# Altium PCB BEE_BOARD.PcbDoc (part 3 of 3) (continued)
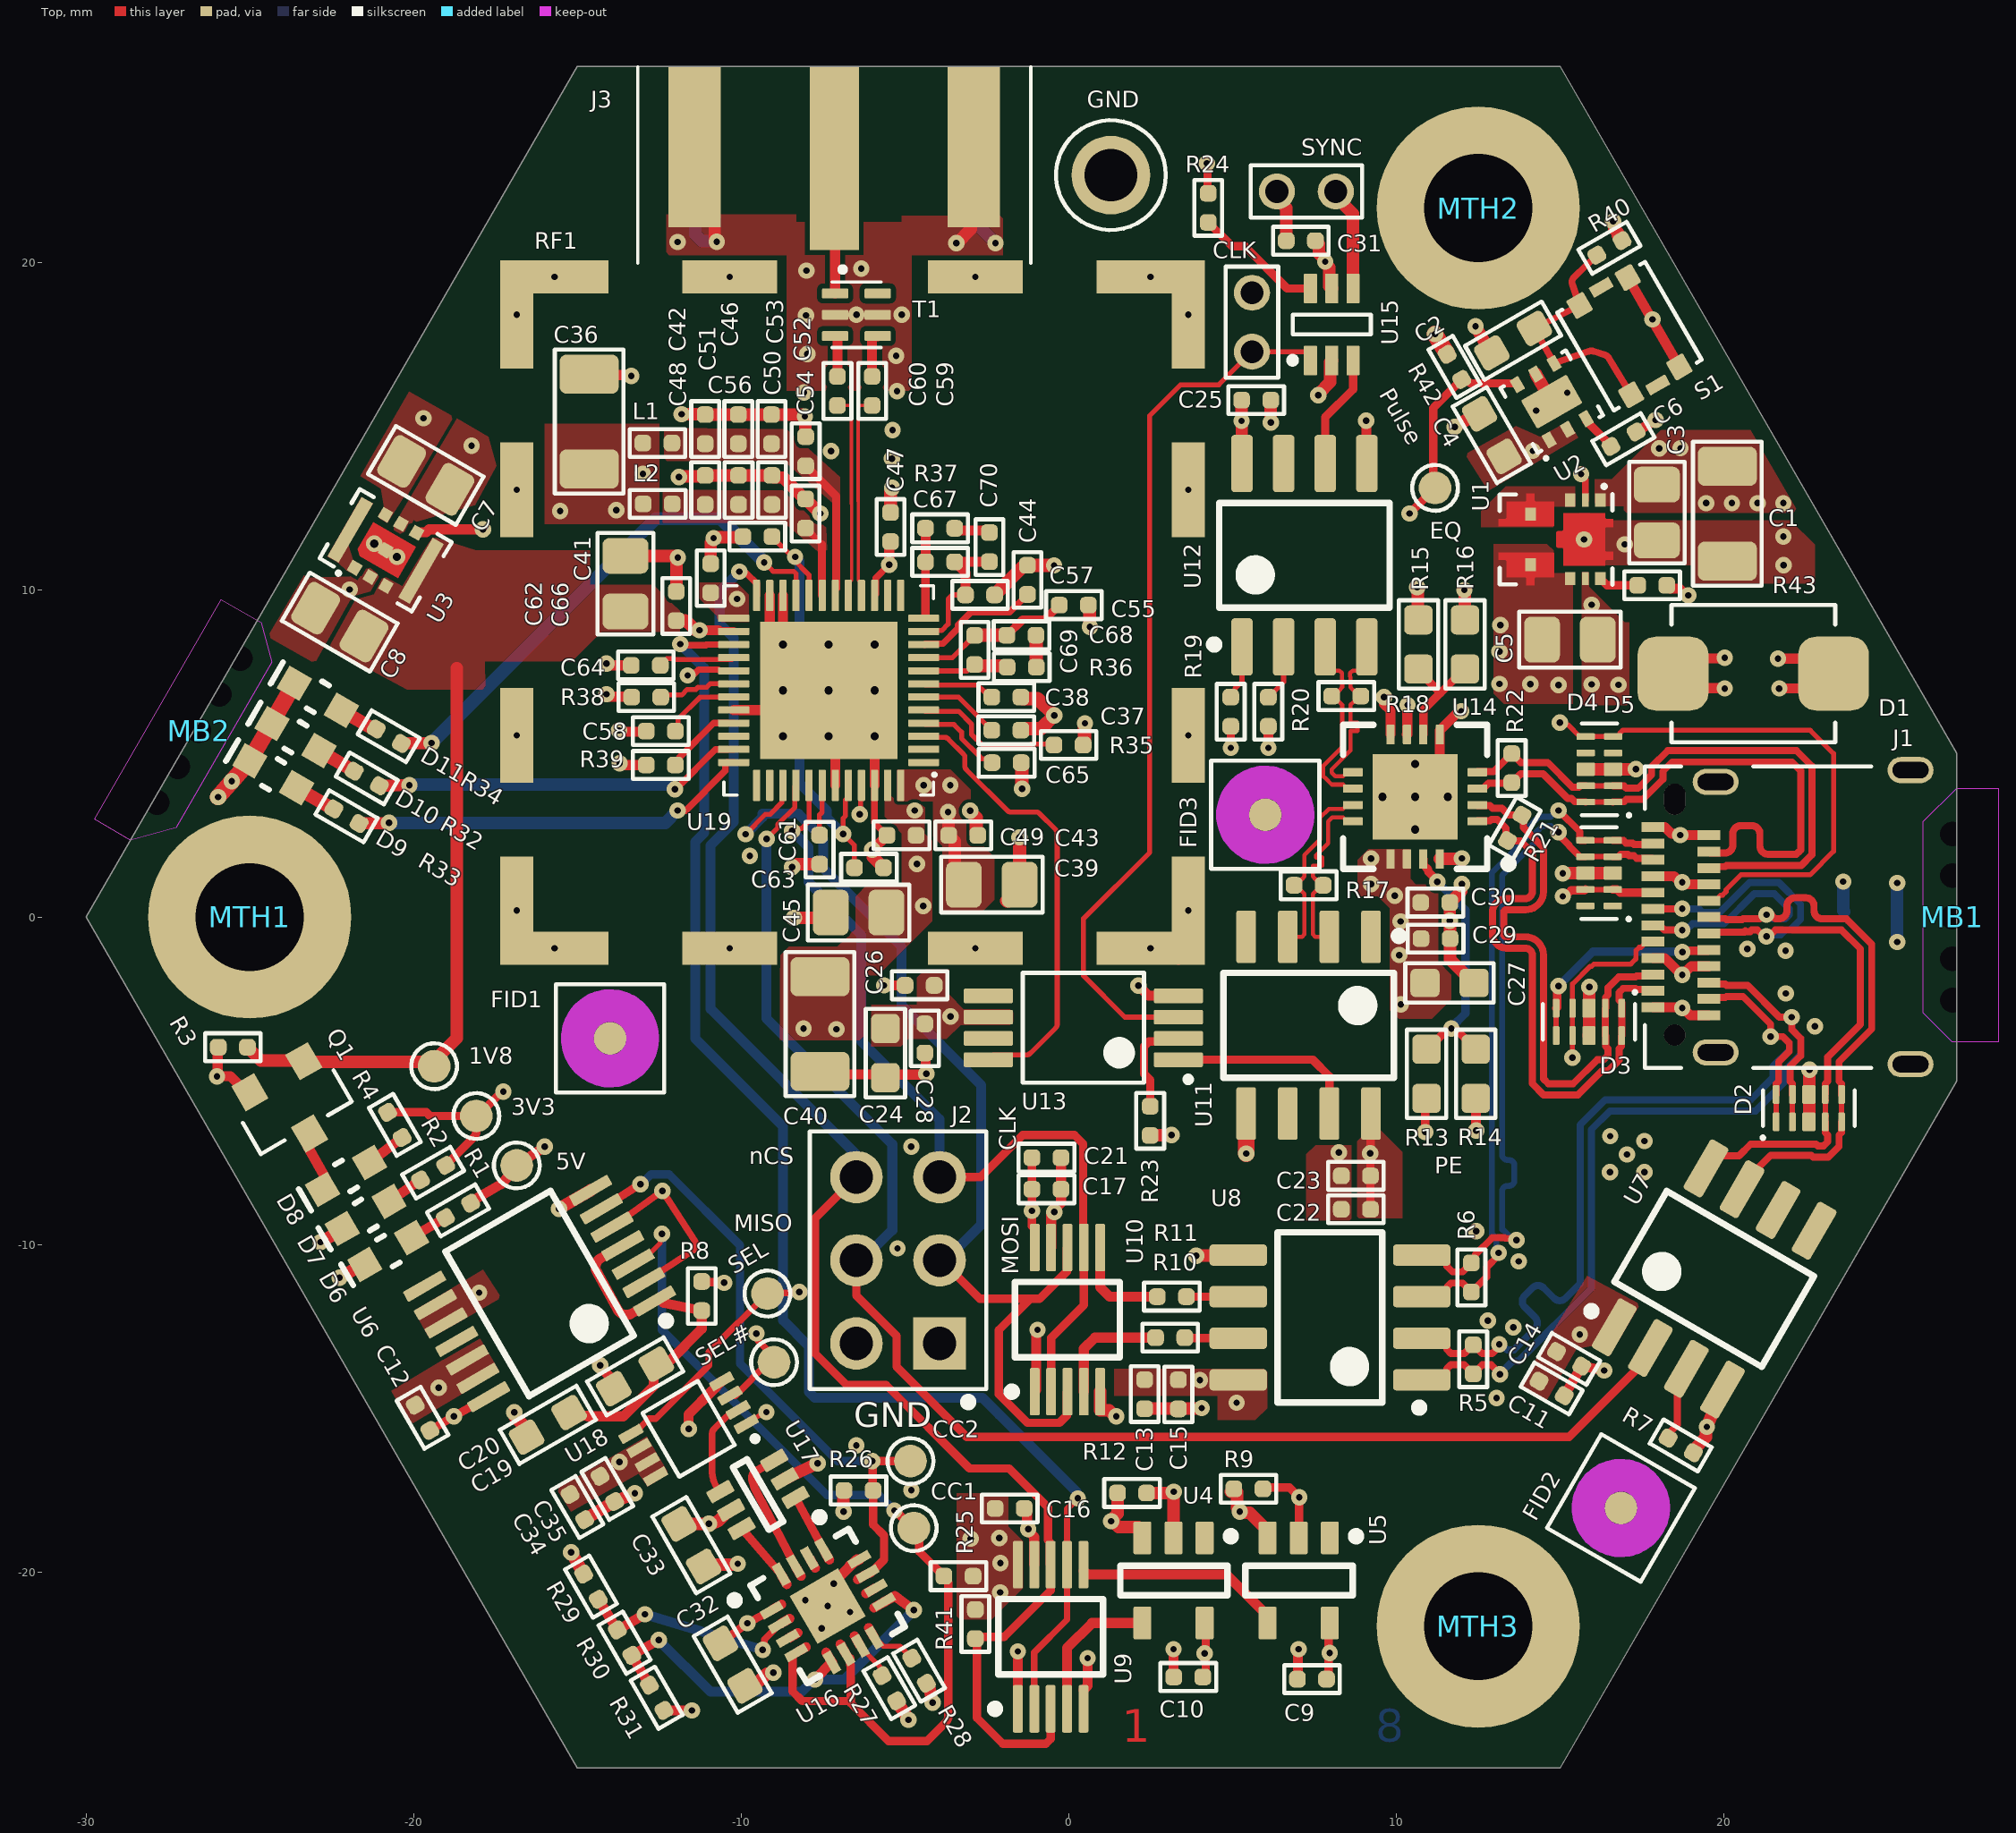
[diagram p0: Top view]
## Nets (pads, with @x,y where several pads share a name; then routed paths per layer and width w, separated by ;. In a path a pad name is that pad's centre, name@x,y a point inside that pad or via, vN(x,y) a via of type N, cw(c..) or ccw(c..) an arc to the next point about the centre after c; other vN are vias at no path point) (continued)
OUT1: U16.16 U17.6 | length 1.8
  Top w0.254: U17.6@-9.984,-18.668 U16.16@-8.78,-20.069
OUT2: U16.15 U17.3 | length 3.9
  Top w0.254: U17.3@-8.989,-16.592 -9.537,-16.911 ccw(c-9.409,-17.131) -9.651,-17.208 -9.565,-17.479 U16.15@-8.347,-19.819
OUT4: U16.13 U17.1 | length 1.8
  Top w0.254: U17.1@-8.339,-17.718 U16.13@-7.481,-19.319
PE: R13.1 R14.2 U14.15 | length 7.9
  Top w0.254: U14.15@10.825,1.775 10.825,1.6 10.971,1.454 10.971,1.395 11.251,1.116 v1(11.251,1.075) ; R13.1@10.925,-4.036 10.953,-4.036 11.575,-3.414 11.816,-3.414 12.425,-4.023 R14.2@12.425,-4.036
  Bottom w0.254: v1(11.251,1.075) 12.11,0.215 12.11,-2.941 11.683,-3.368 v1(11.683,-3.406)
PULSE: Pulse.1 R8.2 R42.1 U2.6 U18.1 | length 49.3
  Top w0.152: R8.2@-11.203,-11.125 R8.2@-11.184,-11.144 ; v1@-10.538,-11.144 v1(-10.519,-11.164) ; U18.1@-9.841,-15.476 -9.741,-15.376 v1(-9.23,-15.115)
  Top w0.254: R8.2@-11.184,-11.144 v1@-10.538,-11.144 ; v1(10.404,12.326) Pulse.1@11.184,13.106 11.128,13.163 11.128,15.546 R42.1@11.997,16.416 12.14,16.416 12.259,16.297 13.657,16.297 U2.6@13.695,16.26
  Signal_1 w0.254: v1(-9.23,-15.115) -10.519,-13.826 v1(-10.519,-11.164) -10.519,-8.647 -5.472,-3.6 2.451,-3.6 4.948,-1.103 4.948,2.749 6.689,4.49 6.689,8.611 v1(10.404,12.326)
RF_N: C60.2 U19.17 | length 6.2
  Top w0.102: C60.2@-7.059,15.624 -6.691,15.624 -6.632,15.564 -6.632,12.624 -6.627,12.62 -6.627,10.287 -6.726,10.189 U19.17@-6.726,9.824
RF_P: C59.2 U19.16 | length 6.2
  Top w0.102: U19.16@-6.326,9.824 -6.326,10.189 -6.424,10.287 -6.424,12.704 -6.428,12.708 -6.428,15.564 -6.369,15.624 C59.2@-6.001,15.624
RX1_N: D2.2 D2.9 J1.B10 R5.2 U8.1 | length 27
  Top w0.165: D2.2@22.095,-6.251 D2.9@22.095,-5.416
  Top w0.216: U8.1@10.775,-14.129 11.325,-14.129 11.542,-13.912 11.542,-13.792 11.668,-13.665 12.071,-13.665 R5.2@12.35,-13.945 12.623,-13.671 12.899,-13.671 13.167,-13.94 v1(13.167,-13.959) ; J1.B10@19.54,-2 19.582,-2.042 20.04,-2.042 20.077,-2.079 20.721,-2.079 21.694,-3.051 22.071,-3.051 v1(22.072,-3.053) 22.074,-3.054 22.074,-3.431 22.344,-3.701 22.344,-4.236 22.016,-4.563 22.016,-5.014 22.087,-5.085 22.087,-5.408 D2.9@22.095,-5.416
  Bottom w0.216: v1(13.167,-13.959) 13.167,-13.944 13.554,-13.557 13.732,-13.557 15.954,-11.336 15.954,-6.489 16.524,-5.919 20.965,-5.919 21.845,-5.04 21.845,-4.7 22.344,-4.201 22.344,-3.701 22.074,-3.431 22.074,-3.054 v1(22.072,-3.053)
RX1_P: D2.1 D2.10 J1.B11 R5.1 U8.2 | length 27
  Top w0.165: D2.1@21.595,-6.251 D2.10@21.595,-5.416
  Top w0.216: U8.2@10.775,-12.859 11.325,-12.859 11.542,-13.076 11.542,-13.196 11.668,-13.322 12.077,-13.322 12.344,-13.056 R5.1@12.35,-13.056 12.623,-13.329 12.928,-13.329 13.143,-13.114 v1(13.143,-13.048) ; J1.B11@19.54,-2.5 19.582,-2.458 20.04,-2.458 20.077,-2.421 20.579,-2.421 21.426,-3.268 21.426,-3.645 v1(21.427,-3.647) 21.429,-3.648 21.806,-3.648 22.001,-3.843 22.001,-4.094 21.673,-4.421 21.673,-5.014 21.603,-5.085 21.603,-5.408 D2.10@21.595,-5.416
  Bottom w0.216: v1(13.143,-13.048) 13.219,-13.048 13.386,-13.215 13.59,-13.215 14.157,-12.648 14.233,-12.571 ccw(c14.058,-12.396) 14.233,-12.221 13.919,-11.907 cw(c14.094,-11.732) 13.919,-11.557 14.152,-11.323 cw(c14.327,-11.498) 14.503,-11.323 14.817,-11.638 ccw(c14.992,-11.462) 15.167,-11.638 15.611,-11.194 15.611,-6.347 16.381,-5.576 20.823,-5.576 21.502,-4.898 21.502,-4.558 22.001,-4.059 22.001,-3.843 21.806,-3.648 21.429,-3.648 v1(21.427,-3.647)
RX2_N: D4.4 D4.7 J1.A10 R6.1 U8.4 | length 21.5
  Top w0.165: D4.7@15.774,1.844 D4.4@16.609,1.844
  Top w0.216: U8.4@10.775,-10.319 11.325,-10.319 11.542,-10.536 11.542,-10.657 11.717,-10.832 12.022,-10.832 R6.1@12.295,-10.559 12.413,-10.44 12.413,-10.308 12.93,-9.791 13.311,-9.791 13.328,-9.808 13.616,-9.808 v1(13.671,-9.862) ; v1(14.954,2.595) 14.954,2.519 15.282,2.191 15.282,2.169 15.607,1.844 D4.7@15.774,1.844 ; D4.4@16.609,1.844 16.775,1.844 16.852,1.92 17.07,1.92 17.109,1.881 17.251,1.881 17.34,1.792 17.798,1.792 J1.A10@17.84,1.75
  Bottom w0.178: v1(13.671,-9.862) 13.583,-9.862 13.275,-9.553 13.227,-9.553 13.227,-9.258 13.227,-8.382 cw(c13.405,-8.382) 13.405,-8.204 13.446,-8.204 ccw(c13.446,-8.047) 13.603,-8.047 13.603,-7.574 ccw(c13.446,-7.574) 13.446,-7.417 13.405,-7.417 cw(c13.405,-7.239) 13.227,-7.239 13.227,-5.919 13.227,1.275 14.265,2.313 14.265,2.589 14.463,2.786 14.714,2.786 14.905,2.595 v1(14.954,2.595)
RX2_P: D4.5 D4.6 J1.A11 R6.2 U8.3 | length 21.5
  Top w0.165: D4.6@15.774,2.344 D4.5@16.609,2.344
  Top w0.216: U8.3@10.775,-11.589 11.325,-11.589 11.542,-11.372 11.542,-11.301 11.668,-11.174 12.022,-11.174 R6.2@12.295,-11.448 ; R6.2@12.295,-11.448 12.758,-10.984 12.758,-10.69 13.12,-10.327 v1(13.12,-10.251) ; v1(14.954,3.256) 15.606,2.604 15.606,2.352 15.614,2.344 D4.6@15.774,2.344 ; D4.5@16.609,2.344 16.617,2.336 16.94,2.336 17.013,2.263 17.212,2.263 17.251,2.224 17.814,2.224 J1.A11@17.84,2.25
  Bottom w0.178: v1(13.12,-10.251) 13.059,-10.189 13.059,-9.816 12.922,-9.68 12.922,1.365 13.986,2.429 13.986,2.704 14.347,3.065 14.714,3.065 14.905,3.256 v1(14.954,3.256)
SBU1: D4.2 D4.9 J1.A8 R12.1 U4.2 | length 28.1
  Top w0.165: D4.9@15.774,0.844 D4.2@16.609,0.844
  Top w0.254: v1(15.084,0.633) 15.15,0.633 15.334,0.817 15.747,0.817 D4.9@15.774,0.844 ; D4.2@16.609,0.844 16.737,0.844 16.831,0.75 J1.A8@17.84,0.75
  Top w0.381: R12.1@2.379,-17.584 v1@3.016,-17.584 ; U4.2@3.199,-18.954 3.202,-18.951 3.202,-17.548 v1(3.206,-17.545)
  Signal_1 w0.254: v1(3.206,-17.545) 3.202,-17.541 3.202,-14.268 4.368,-13.102 4.368,-10.044 15.045,0.633 v1(15.084,0.633)
SBU2: D3.5 D3.6 J1.B8 R9.1 U5.2 | length 29.2
  Top w0.165: D3.6@14.881,-3.615 D3.5@14.881,-2.78
  Top w0.254: R9.1@5.931,-17.457 5.972,-17.417 6.738,-17.417 v1(7.04,-17.719) 7.03,-17.728 7.03,-18.945 U5.2@7.021,-18.954 ; D3.5@14.881,-2.78 14.908,-2.753 14.908,-2.149 v1(14.954,-2.103) ; v1(18.732,-1.07) 18.779,-1.023 19.271,-1.023 19.517,-1.023 J1.B8@19.54,-1
  Signal_1 w0.254: v1(7.04,-17.719) 8.727,-16.032 8.727,-6.226 9.653,-5.3 10.466,-5.3 13.663,-2.103 v1(14.954,-2.103)
  Bottom w0.254: v1(14.954,-2.103) 16.008,-1.05 18.711,-1.05 v1(18.732,-1.07)
SEL: SEL.1 U9.1 U10.1 U14.7 U18.5 | length 53.7
  Top w0.203: U18.5@-13.363,-15.777 -13.28,-15.777 -12.821,-15.318 -12.614,-15.318 -10.981,-13.685 -10.981,-13.279 -9.147,-11.445 -9.142,-11.445 -9.118,-11.47 -8.247,-11.47 v1(-8.223,-11.445)
  Top w0.305: v1(-1.554,-22.419) -1.552,-22.421 -1.552,-24.173 U9.1@-1.55,-24.175 ; U10.1@-1.038,-14.491 -0.993,-14.445 -0.993,-12.642 v1(-0.95,-12.6) ; U14.7@10.325,5.575 10.335,5.585 10.335,6.471 v1(10.346,6.481)
  Signal_1 w0.254: v1(-8.223,-11.445) -6.969,-11.445 -6.765,-11.65 -2.52,-11.65 -1.581,-12.588 -0.962,-12.588 v1(-0.95,-12.6) ; v1(-1.554,-22.419) -0.611,-21.476 -0.611,-15.93 -0.95,-15.59 v1(-0.95,-12.6) ; v1(10.346,6.481) 10.346,6.435 8.154,4.243 8.154,-3.495 v1(-0.95,-12.6)
SEL#: SEL#.1 U14.8 U18.3 | length 36
  Top w0.203: U18.3@-10.341,-14.61 -10.181,-14.61 -9.162,-13.591 SEL#.1@-8.995,-13.591 -8.995,-13.414 -9.476,-12.934 -9.476,-12.769 v1(-9.533,-12.712)
  Top w0.305: v1(9.626,6.718) 9.626,6.514 9.825,6.316 U14.8@9.825,5.575
  Signal_1 w0.254: v1(-9.533,-12.712) -9.533,-9.498 -5.913,-5.878 1.776,-5.878 6.354,-1.3 6.354,3.12 9.626,6.393 v1(9.626,6.718)
SEL_3V3: U17.4 U18.2 | length 2.9
  Top w0.203: U17.4@-10.634,-17.542 cw(c-10.031,-16.938) -10.884,-16.938 -10.884,-15.772 cw(c-10.681,-15.773) -10.826,-15.63 -10.467,-15.272 cw(c-9.886,-15.86) -10.14,-15.073 ccw(c-10.178,-14.957) U18.2@-10.091,-15.043
SPICLK: J2.5 U10.2 U10.7 U19.41 | length 27.2
  Top w0.152: v1(-8.442,2.633) -8.376,2.7 -8.162,2.7 -7.926,2.936 U19.41@-7.926,4.024
  Top w0.254: J2.5@-3.942,-7.938 -2.687,-7.938 -1.401,-6.652 0.171,-6.652 0.441,-6.922 0.441,-10.069 U10.7@0.462,-10.091 0.462,-11.847 -0.538,-12.847 U10.2@-0.538,-14.491
  Bottom w0.305: v1(-8.442,2.633) -7.941,2.132 -7.941,1.072 -6.332,-0.538 -6.332,-3.786 -3.942,-6.176 J2.5@-3.942,-7.938
SPIMISO: J2.4 U7.2 U19.40 | length 45.9
  Top w0.152: v1(-9.225,2.386) -8.886,2.725 -8.886,2.831 -8.36,3.357 -8.36,3.99 U19.40@-8.326,4.024
  Top w0.254: J2.4@-6.482,-10.478 -6.482,-11.558 -5.252,-12.789 -5.252,-13.731 -3.113,-15.87 15.277,-15.87 17.755,-13.392 U7.2@17.755,-13.157
  Bottom w0.305: v1(-9.225,2.386) -9.225,-3.095 -5.385,-6.935 -5.385,-9.56 -6.303,-10.478 J2.4@-6.482,-10.478
SPIMOSI: J2.3 U10.3 U10.8 U19.39 | length 32.9
  Top w0.152: v1(-9.86,2.535) -9.252,3.143 -9.111,3.143 -8.76,3.494 -8.76,3.99 U19.39@-8.726,4.024
  Top w0.254: J2.3@-3.942,-10.478 -3.887,-10.478 -2.715,-11.65 -1.171,-11.65 ; U10.3@-0.038,-14.491 -0.061,-14.514 -0.061,-15.225 -0.28,-15.444 -1.256,-15.444 -2.131,-14.569 -2.131,-12.61 -1.171,-11.65 ; U10.8@-0.038,-10.091 -0.061,-10.114 -0.061,-10.825 -0.886,-11.65 -1.171,-11.65
  Bottom w0.305: v1(-9.86,2.535) -9.346,3.05 -9.346,3.157 -8.254,3.157 -7.496,2.4 -7.496,1.493 -5.107,-0.897 -5.107,-2.691 -2.672,-5.126 -2.672,-9.396 -3.848,-10.572 -3.942,-10.666 J2.3@-3.942,-10.478
SPInCS: J2.6 R41.1 U9.3 U9.8 U19.24 | length 48.9
  Top w0.203: v1(-10.053,10.549) -9.996,10.492 -9.829,10.492 -9.526,10.189 U19.24@-9.526,9.824
  Top w0.254: J2.6@-6.273,-7.729 -7.744,-9.2 -7.744,-13.318 -6.775,-14.288 -5.577,-14.288 -3.028,-16.837 -1.816,-16.837 -0.632,-18.02 -0.632,-19.028 -0.573,-19.087 -0.573,-19.752 U9.8@-0.55,-19.775 -0.552,-19.777 -0.552,-20.557 -1.97,-21.975 -2.794,-21.975 R41.1@-2.805,-21.986 ; R41.1@-2.85,-22.031 R41.1@-2.805,-21.986 ; U9.3@-0.55,-24.175 -0.552,-24.177 -0.552,-25.093 -0.701,-25.242 -2.011,-25.242 -2.805,-24.447 R41.1@-2.805,-21.986
  Bottom w0.305: v1(-10.053,10.549) -10.656,9.946 -10.656,8.954 -10.228,8.526 -10.228,2.9 -10.936,2.191 -10.936,-2.799 -6.482,-7.253 J2.6@-6.482,-7.938
SYNC: SYNC.2 U15.4 U19.29 | length 32.3
  Top w0.203: v1(-11.63,7.383) -11.573,7.44 -11.419,7.44 -11.3,7.559 -10.689,7.559 -10.663,7.532 -10.234,7.532 U19.29@-10.226,7.524
  Top w0.381: SYNC.2@8.154,22.158 8.154,22.002 8.68,21.476 U15.4@8.68,19.197
  Signal_1 w0.254: v1(-11.63,7.383) -11.586,7.428 -6.109,7.428 -3.434,10.102 -3.434,10.394 4.219,18.047 4.219,20.024 4.888,20.693 7.418,20.693 8.114,21.389 8.114,22.118 SYNC.2@8.154,22.158
SYNC_BB_LVDS_N: R18.1 U12.4 U14.9 | length 5.8
  Top w0.127: U14.9@8.675,4.425 8.5,4.425 8.377,4.302 8.134,4.302 8.028,4.409 8.028,4.514 8.602,5.088 8.602,5.368 8.602,5.686 8.812,5.686 8.812,5.94 8.602,5.94 8.602,6.475 8.602,6.485 8.676,6.559 8.681,6.559 R18.1@8.871,6.75 ; R18.1@8.919,6.75 R18.1@8.871,6.75 ; U12.4@9.1,8.25 9.1,7.784 8.841,7.525 8.666,7.525 8.592,7.451 8.592,7.346 8.602,7.336 8.602,7.015 8.676,6.94 8.681,6.94 R18.1@8.871,6.75
SYNC_BB_LVDS_P: R18.2 U12.3 U14.10 | length 5.8
  Top w0.127: U12.3@7.83,8.25 7.83,7.784 8.089,7.525 8.264,7.525 8.338,7.451 8.338,7.24 8.348,7.23 8.348,7.015 8.274,6.94 8.269,6.94 R18.2@8.079,6.75 ; R18.2@8.03,6.75 R18.2@8.079,6.75 ; U14.10@8.675,3.925 8.5,3.925 8.377,4.048 8.029,4.048 7.848,4.229 7.774,4.303 7.774,4.619 8.348,5.193 8.348,6.485 8.274,6.559 8.269,6.559 R18.2@8.079,6.75
SYNC_LVCMOS: U12.6 U15.3 | length 3.5
  Top w0.254: U12.6@7.83,13.85 7.83,15.266 8.68,16.116 U15.3@8.68,16.997
TX1_N: D3.2 D3.9 J1.A3 R21.1 U14.2 | length 17.8
  Top w0.216: U14.2@12.475,3.425 12.492,3.408 12.86,3.408 12.941,3.328 13.224,3.328 13.431,3.121 13.828,3.121 R21.1@13.838,3.11 13.881,3.068 13.881,2.735 14.319,2.297 14.495,2.121 14.495,0.782 cw(c13.936,0.782) 13.936,0.223 13.36,0.223 ccw(c13.36,0.141) 13.277,0.141 13.277,-0.52 ccw(c13.36,-0.52) 13.36,-0.602 13.936,-0.602 cw(c13.936,-1.161) 14.495,-1.161 14.495,-1.441 14.495,-4.941 14.639,-5.085 15.401,-5.085 16.138,-4.348 16.333,-4.348 16.46,-4.222 16.46,-4.017 16.389,-3.946 16.389,-3.623 D3.9@16.381,-3.615 D3.2@16.381,-2.78 16.389,-2.772 16.389,-2.449 16.462,-2.376 16.462,-2.156 16.789,-1.829 17.303,-1.829 17.34,-1.792 17.798,-1.792 J1.A3@17.84,-1.75
TX1_P: D3.1 D3.10 J1.A2 R21.2 U14.1 | length 17.7
  Top w0.216: U14.1@12.475,2.925 12.492,2.942 12.86,2.942 12.903,2.985 13.082,2.985 13.351,2.716 13.351,2.383 R21.2@13.394,2.34 13.404,2.33 13.801,2.33 13.834,2.297 14.152,1.979 14.152,0.782 cw(c13.936,0.782) 13.936,0.566 13.36,0.566 ccw(c13.36,0.141) 12.935,0.141 12.935,-0.52 ccw(c13.36,-0.52) 13.36,-0.945 13.936,-0.945 cw(c13.936,-1.161) 14.152,-1.161 14.152,-1.441 14.152,-5.083 14.497,-5.428 15.543,-5.428 16.28,-4.691 16.475,-4.691 16.803,-4.364 16.803,-4.017 16.873,-3.946 16.873,-3.623 D3.10@16.881,-3.615 D3.1@16.881,-2.78 16.881,-2.614 16.805,-2.537 16.805,-2.298 16.931,-2.171 17.303,-2.171 17.34,-2.208 17.798,-2.208 J1.A2@17.84,-2.25
TX2_N: D5.2 D5.9 J1.B3 R22.1 U14.4 | length 17.8
  Top w0.165: D5.9@15.783,4.014 D5.2@16.618,4.014
  Top w0.216: U14.4@12.475,4.425 12.492,4.442 12.973,4.442 R22.1@13.525,4.995 ; R22.1@13.525,4.995 13.798,4.721 14.624,4.721 15.376,3.969 15.571,3.969 15.616,4.014 D5.9@15.783,4.014 ; D5.2@16.618,4.014 16.626,4.006 16.949,4.006 17.019,3.935 17.382,3.935 17.795,4.348 17.795,4.593 18.285,5.082 22.22,5.082 22.687,4.616 22.687,1.906 22.36,1.579 21.039,1.579 20.077,1.579 20.04,1.542 19.582,1.542 J1.B3@19.54,1.5
TX2_P: D5.1 D5.10 J1.B2 R22.2 U14.3 | length 17.8
  Top w0.165: D5.10@15.783,3.514 D5.1@16.618,3.514
  Top w0.216: U14.3@12.475,3.925 12.65,3.925 12.815,4.09 13.51,4.09 R22.2@13.525,4.106 13.798,4.379 14.481,4.379 15.234,3.626 15.348,3.626 15.452,3.522 15.775,3.522 D5.10@15.783,3.514 ; D5.1@16.618,3.514 16.626,3.522 16.949,3.522 17.019,3.592 17.524,3.592 18.138,4.206 18.138,4.451 18.427,4.74 22.078,4.74 22.344,4.474 22.344,2.048 22.281,1.985 22.218,1.921 22.14,1.921 21.347,1.921 cw(c21.347,2.169) 21.1,2.169 21.1,2.547 ccw(c20.852,2.547) 20.852,2.795 20.522,2.795 ccw(c20.522,2.547) 20.274,2.547 20.274,2.206 cw(c20.027,2.206) 20.027,1.958 19.582,1.958 19.561,1.979 J1.B2@19.54,2
VDDCLK: C55.2 C68.1 C69.2 U19.9 | length 4.8
  Top w0.152: U19.9@-4.403,7.917 -3.557,7.917 C69.2@-2.871,8.604 C69.2@-2.869,8.606
  Top w0.254: C68.1@-1.888,8.606 -1.403,9.091 -0.726,9.091 C55.2@-0.288,9.528
  Top w0.406: C69.2@-2.869,8.606 C68.1@-1.888,8.606
VDDIF: C38.2 U19.7 | length 2.2
  Top w0.152: U19.7@-4.403,7.117 -4.37,7.084 -2.779,7.084 -2.594,6.899 -2.567,6.899 -2.389,6.721 C38.2@-2.348,6.721
VDDMS: C37.2 U19.6 | length 2.5
  Top w0.152: U19.6@-4.403,6.717 -3.36,6.717 -2.93,6.287 C37.2@-2.348,5.705
VDDPA1: C42.2 C46.2 C50.2 C52.2 L1.2 U19.18 | length 4.4
  Top w0.152: U19.18@-7.126,9.824 -7.126,10.015 U19.18@-7.098,10.043
  Top w0.254: C52.2@-8.027,13.782 -7.098,12.854 U19.18@-7.098,10.043
VDDPA2: C48.2 C51.2 C53.2 C54.2 L2.2 U19.19 | length 2.3
  Top w0.203: C54.2@-8.031,11.879 -7.534,11.383 ; U19.19@-7.534,9.832 U19.19@-7.526,9.824
  Top w0.254: U19.19@-7.534,9.832 -7.534,11.383
VDDSYN: C44.2 U19.10 | length 3.8
  Top w0.203: U19.10@-4.403,8.317 -4.37,8.351 -3.843,8.351 -3.374,8.821 -3.374,8.92 -2.983,9.311 -1.802,9.311 C44.2@-1.26,9.853
VDDVCO: C57.2 C67.1 C70.1 U19.11 | length 4.4
  Top w0.152: U19.11@-4.403,8.717 -4.37,8.751 -3.874,8.751 -3.678,8.947 -3.678,9.717 -3.556,9.84 C57.2@-3.151,9.84 ; C67.1@-3.482,10.849 C67.1@-3.479,10.851 ; C70.1@-2.424,10.851 C70.1@-2.421,10.854
  Top w0.305: C67.1@-3.482,10.849 -3.151,10.518 C57.2@-3.151,9.84 ; C67.1@-3.479,10.851 C70.1@-2.424,10.851
pads on no net: D4.1 D4.10 D5.4 D5.7 FID1.1 FID1.2 FID2.1 FID2.2 FID3.1 FID3.2 J1. MB1.0 MB2.0 MTH1.1 MTH2.1 MTH3.1 S1.5 S1.6 T1.6 U4.1 U5.1 U6.8 U6.11 U7.5 U7.6 U11.1 U11.4 U11.6 U12.7 U13.5 U13.7 U16.3 U16.10 U16.14 U19.1 U19.2 U19.13 U19.14 U19.34 U19.37 U19.38

## Polygon pours and split planes (outlines as drawn)
GND on Top "waveguide" (solid, pour order 9): -8.61,16.068 -4.792,16.068 -4.792,21.219 -8.61,21.219
VDDPA2 on Top "VDDPA2_L01_P033" (solid, pour order 33): -7.38,11.214 -7.4,11.916 -8.624,13.021 -12.429,13.063 -12.436,12.05 -8.691,12.042 -7.569,11.086
3V3 on Top "3V3_L01_P045" (solid, pour order 45): 16.496,-13.413 15.966,-13.106 15.493,-13.181 14.56,-14.814 13.739,-14.337 15.825,-10.958 17.442,-11.816
3V3 on Top "3V3_L01_P044" (solid, pour order 44): -12.861,-17.384 -12.212,-17.007 -12.888,-15.856 -15.637,-17.455 -15.185,-18.153 -13.129,-16.995
GND on Top "GND_L01_P043" (solid, pour order 43): -17.378,-13.884 -20.096,-15.499 -20.687,-14.461 -17.982,-12.86
3V3 on Top "3V3_L01_P042" (solid, pour order 42): -1.7,-3.288 -3.292,-3.287 -3.725,-3.721 -4.894,-3.721 -5.122,-3.949 -6.023,-3.949 -6.023,-2.683 -4.63,-2.683 -4.63,-1.851 -4.379,-1.601 -3.654,-1.601 -3.654,-2.37 -3.207,-2.817 -1.7,-2.817
3V3 on Top "3V3_L01_P039" (solid, pour order 39): -5.419,4.486 -5.634,4.486 -5.619,3.068 -5.098,2.548 -5.098,1.028 -6.115,1.028 -6.51,0.633 -6.51,-0.358 -7.057,-0.906 -8.537,-0.906 -8.81,-1.179 -8.81,-3.763 -6.382,-3.763 -6.202,-3.583 -6.202,-1.783 -5.828,-1.783 -4.175,-0.13 -4.175,2.329 -4.396,2.55 -4.39,3.456 -5.174,3.456 -5.424,3.706
3V3 on Top "3V3_L01_P041" (solid, pour order 41): 6.055,-13.796 1.392,-13.796 1.392,-14.614 4.549,-14.614 4.549,-15.355 5.693,-15.355 6.055,-14.992
3V3 on Top "3V3_L01_P040" (solid, pour order 40): -1.394,-20.494 -1.394,-19.054 -1.844,-18.604 -1.844,-17.594 -3.414,-17.594 -3.414,-21.445 -2.345,-21.445
1V8 on Top "1V8_L01_P036" (solid, pour order 36): -5.237,4.5 -5.237,3.552 -5.227,3.542 -4.141,3.542 -4.141,2.455 -3.858,2.172 -3.858,0.096 -2.707,0.096 -2.274,0.528 -2.274,1.826 -2.646,2.198 -2.998,2.198 -2.998,3.888 -3.611,4.5
3V3 on Top "3V3_L01_P038" (solid, pour order 38): 11.018,1.002 10.6,1.002 10.433,1.169 10.433,2.054 10.409,2.077 9.154,2.077 8.819,1.743 8.819,0.638 9.441,0.638 9.805,0.273 9.805,-2.84 10.071,-3.106 11.086,-3.106 11.675,-2.517 11.675,-1.758 11.275,-1.358 11.275,0.823
3V3 on Top "3V3_L01_P034" (solid, pour order 34): -9.751,9.019 -9.764,9.032 -9.764,9.841 -10.144,10.22 -11.274,10.22 -11.274,9.729 -10.733,9.188 -10.733,9.016
VDDPA1 on Top "VDDPA1_L01_P032" (solid, pour order 32): -6.975,12.453 -6.975,13.432 -8.612,14.899 -12.348,14.941 -12.355,13.935 -8.705,13.927
3V3 on Top "3V3_L01_P031" (solid, pour order 31): 15.551,14.642 15.252,15.147 14.39,14.664 13.65,14.994 12.104,14.127 12.803,13.011
GND on Top "GND_L01_P030" (solid, pour order 30): -19.989,-12.024 -19.512,-12.869 -18.35,-12.21 -17.327,-11.616 -17.877,-10.764
3V3 on Top "3V3_L01_P029" (solid, pour order 29): -20.804,12.026 -20.306,12.816 -20.071,12.859 -18.676,15.226 -20.157,16.05 -21.629,13.464 -20.99,13.083 -20.899,12.527 -21.108,12.212
GND on Top "GND_L01_P028" (solid, pour order 28): -21.181,11.403 -20.611,11.942 -18.678,15.234 -17.712,14.669 -17.468,13.776 -18.132,12.581 -20.16,12.008 -20.291,11.717 -20.488,11.003
NetU3_1 on Top "NETU3_1_L01_P027" (solid, pour order 27): -21.566,10.736 -21.843,10.885 -21.997,11.356 -21.246,12.635 -21.599,12.829 -22.628,11.013 -22.29,10.812 -22.05,10.587 -21.753,10.416
GND on Top "GND_L01_P026" (solid, pour order 26): -21.037,10.433 -21.396,9.822 -21.937,9.679 -23.021,7.747 -24.45,8.565 -23.338,10.43 -23.222,10.368 -21.579,10.413 -21.396,10.725
1V8 on Top "1V8_L01_P024" (solid, pour order 24): -19.687,11.204 -20.333,10.106 -20.922,10.426 -21.204,9.865 -21.764,9.711 -22.587,8.243 -20.199,6.954 -17.81,6.954 -17.826,7.806 -15.164,7.806 -14.255,8.715 -11.874,8.715 -11.874,9.349 -12.671,10.146 -14.619,10.146 -14.619,11.204 -18.091,11.204 -19.399,11.615
GND on Top "GND_L01_P023" (solid, pour order 23): 8.63,-9.266 8.63,-6.967 7.532,-6.967 7.254,-7.245 7.254,-9.258
3V3 on Top "3V3_L01_P022" (solid, pour order 22): 8.812,-9.197 8.812,-6.838 9.15,-6.5 9.511,-6.5 10.189,-7.177 10.189,-9.19
GND on Top "NONET_L01_P-001" (solid, pour order 15): 22.777,10.709 22.777,11.37 22.034,12.113 16.406,12.113 16.209,12.31 15.924,12.31 15.908,12.326 15.523,12.326 15.527,10.746 16.381,10.746 19.118,10.746 19.118,10.182 22.777,10.182
NetU1_3 on Top "NONET_L01_P-001" (solid, pour order 16): 15.466,12.541 15.455,12.551 15.455,13.157 13.341,13.157 12.59,12.406 12.59,11.913 14.79,11.913 14.801,11.924 14.801,12.524
3V3 on Top "NONET_L01_P-001" (solid, pour order 14): 15.388,10.5 15.388,6.509 13.286,6.509 12.968,6.827 12.968,11.388 14.605,11.388 14.797,11.196 14.797,10.505
GND on Top "NONET_L01_P-001" (solid, pour order 13): 15.668,10.534 15.668,6.471 17.114,6.471 17.109,9 16.976,9 15.881,10.094 15.881,10.534
5V on Top "NONET_L01_P-001" (solid, pour order 12): 16.058,12.552 16.946,12.556 16.946,12.344 22.266,12.344 22.266,14.873 18.084,14.873 16.576,13.365 16.06,13.365
GND on Top "NONET_L01_P-001" (solid, pour order 11): -12.283,21.455 -12.284,20.215 -8.322,20.215 -8.322,21.455
GND on Top "NONET_L01_P-001" (solid, pour order 10): -5.098,21.421 -5.098,20.215 -2.006,20.215 -2.006,21.421
3V3 on Top "NONET_L01_P-001" (solid, pour order 8): -12.5,12.003 -12.5,15.068 -15.996,15.068 -15.996,12.003
no net on Top Solder "NONET_L01_P-001" (solid): -6.889,15.072 -6.194,15.072 -6.194,10.573 -6.889,10.585
GND on Bottom "GND_L08_P047" (solid, pour order 47): -3.709,21.192 -3.709,20.264 -1.989,20.264 -1.989,21.206
GND on Bottom "GND_L08_P046" (solid, pour order 46): -12.216,21.23 -12.216,20.302 -10.496,20.302 -10.496,21.244
NetJ1_1 on Signal_2 "NETJ1_1_L06_P048" (solid, pour order 48): 18.913,4.6 18.913,-5.14 27.033,-5.14 27.126,-5.047 27.126,5.167 19.48,5.167
1V8 on Signal_2 "1V8_L06_P035" (solid, pour order 35): -10.951,4.5 -10.951,3.542 -4.141,3.542 -4.141,2.455 -3.858,2.172 -3.858,0.096 -2.707,0.096 -2.274,0.528 -2.274,1.826 -2.646,2.198 -2.998,2.198 -2.998,3.888 -3.611,4.5 -9.705,4.5 -9.705,9.341 -12.524,9.341 -12.524,4.5
GND on GND_1 (split plane): 26.603,4.863 26.603,-4.863 14.705,-25.47 -14.705,-25.47 -29.411,0 -14.705,25.47 14.705,25.471
GND on GND_2 (split plane): 26.603,4.863 26.603,-4.863 14.705,-25.47 -14.705,-25.47 -29.411,0 -14.705,25.47 14.705,25.471
3V3 on PWR (split plane): 20.678,15.125 18.136,15.125 18.071,15.116 18.01,15.091 17.958,15.051 16.184,13.277 16.144,13.225 16.119,13.164 16.11,13.099 16.11,-4.497 16.119,-4.562 16.144,-4.623 16.184,-4.675 16.975,-5.466 17.027,-5.506 17.088,-5.532 17.154,-5.54 26.212,-5.54 14.705,-25.47 -14.705,-25.47 -29.411,0 -14.705,25.47 14.705,25.471
5V on PWR (split plane): 26.603,4.863 26.603,-4.863 26.503,-5.036 17.258,-5.036 16.614,-4.392 16.614,12.995 18.24,14.621 20.969,14.621
GND on GND_3 (split plane): 26.603,4.863 26.603,-4.863 14.705,-25.47 -14.705,-25.47 -29.411,0 -14.705,25.47 14.705,25.471

## Other copper
Top:
  text "1" at 1.621,-25.191 h1
Signal_1:
  text "3" at 3.566,-25.191 h1
Signal_2:
  text "6" at 7.043,-25.191 h1
Bottom:
  text "8" at 9.361,-25.191 h1
GND_1 (plane layer: these items are gaps in the copper):
  text "2" at 2.407,-25.191 h1
GND_2 (plane layer: these items are gaps in the copper):
  text "4" at 4.704,-25.191 h1
PWR (plane layer: these items are gaps in the copper):
  lines w0.5: 21.145,14.873 18.136,14.873 16.362,13.099 16.362,-4.497 17.154,-5.288 27.067,-5.288
  text "5" at 5.884,-25.191 h1
GND_3 (plane layer: these items are gaps in the copper):
  text "7" at 8.219,-25.191 h1

## Silkscreen, mask and mechanical layers (free items; w line width, h text height)
Top Overlay:
  text "EQ" at 11.019,11.556 h0.51
  text "CLK" at -1.609,-7.136 h0.51 r90
  text "nCS" at -9.75,-7.545 h0.51
  text "PE" at 11.172,-7.834 h0.51
  text "MISO" at -10.212,-9.593 h0.51
  text "MOSI" at -1.532,-10.914 h0.51 r90
  text "GND" at -6.553,-15.573 h0.76
Bottom Overlay:
  region: -10.009,-17.182 -16.468,-5.994 -23.139,-9.846 -16.68,-21.033
  text ".Project_Name" at 1.995,13.123 h2
  text "Revision .Project_Revision" at 1.995,11.525 h1.02
  text "BTN reset the  / USB-C gates / Expect 500ms / Delay" at 16.946,9.425 h0.76 r300
  text "Designed by: / .Project_Designer1 / .Project_Designer2 / .Project_Designer3" at -6.566,3.664 h0.91
  text "Serial #" at -10.2,-16.851 h1 r300
  text "1" at -1,-17 h10
Board Outline:
  the board outline again, w0.02
Route Tool Path:
  lines w2.54: -29.359,3.65 -31.099,0.636 ; -26.184,9.149 -16.1,26.615 ; 28.34,-5.2 28.34,-3.175 ; 28.34,3.175 28.34,5.2 ; -31.099,-0.636 cw(c-30,0) -31.1,0.635 -31.099,0.636 ; -31.099,-0.636 -31.1,-0.635 cw(c-30,0) -31.099,0.636 ; -31.099,-0.636 -16.101,-26.615 ; -16.101,-26.615 ccw(c-15,-25.981) -15,-27.251 cw(c-15,-25.981) -16.1,-26.616 -16.101,-26.615 ; -16.1,26.615 cw(c-15,25.981) -15,27.251 ccw(c-15,25.981) -16.1,26.616 -16.1,26.615 ; 16.101,-26.615 cw(c15,-25.981) 15,-27.251 ccw(c15,-25.981) 16.1,-26.616 16.101,-26.615 ; 16.101,-26.615 28.212,-5.636 ; 16.1,26.616 ccw(c15,25.981) 15,27.251 cw(c15,25.981) 16.1,26.616 ; 16.1,26.616 28.213,5.635 ; 28.212,-5.636 ccw(c27.113,-5) 28.383,-5 cw(c27.113,-5) 28.213,-5.635 28.212,-5.636 ; 28.213,5.635 cw(c27.113,5) 28.383,5 ccw(c27.113,5) 28.213,5.635

## Text inside footprints (layer, text, board x,y; h text height)
J1: Top Assembly "A12" at 18.373,2.921 h0.51 r90; Top Assembly "B1" at 20.785,3.048 h0.51 r90; Top Assembly "B12" at 20.668,-4.17 h0.51 r90; Top Assembly "A1" at 18.373,-4.064 h0.51 r90
J3: Top Assembly "Board edge / 62 mils PCB" at -2.971,29.823 h0.8 r180
MB1: Top Assembly "Board Edge" at 26.343,-2.159 h0.51 r90
MB2: Top Assembly "Board Edge" at -24.931,7.252 h0.51 r240